# KiCad board Kimiro.kicad_pcb
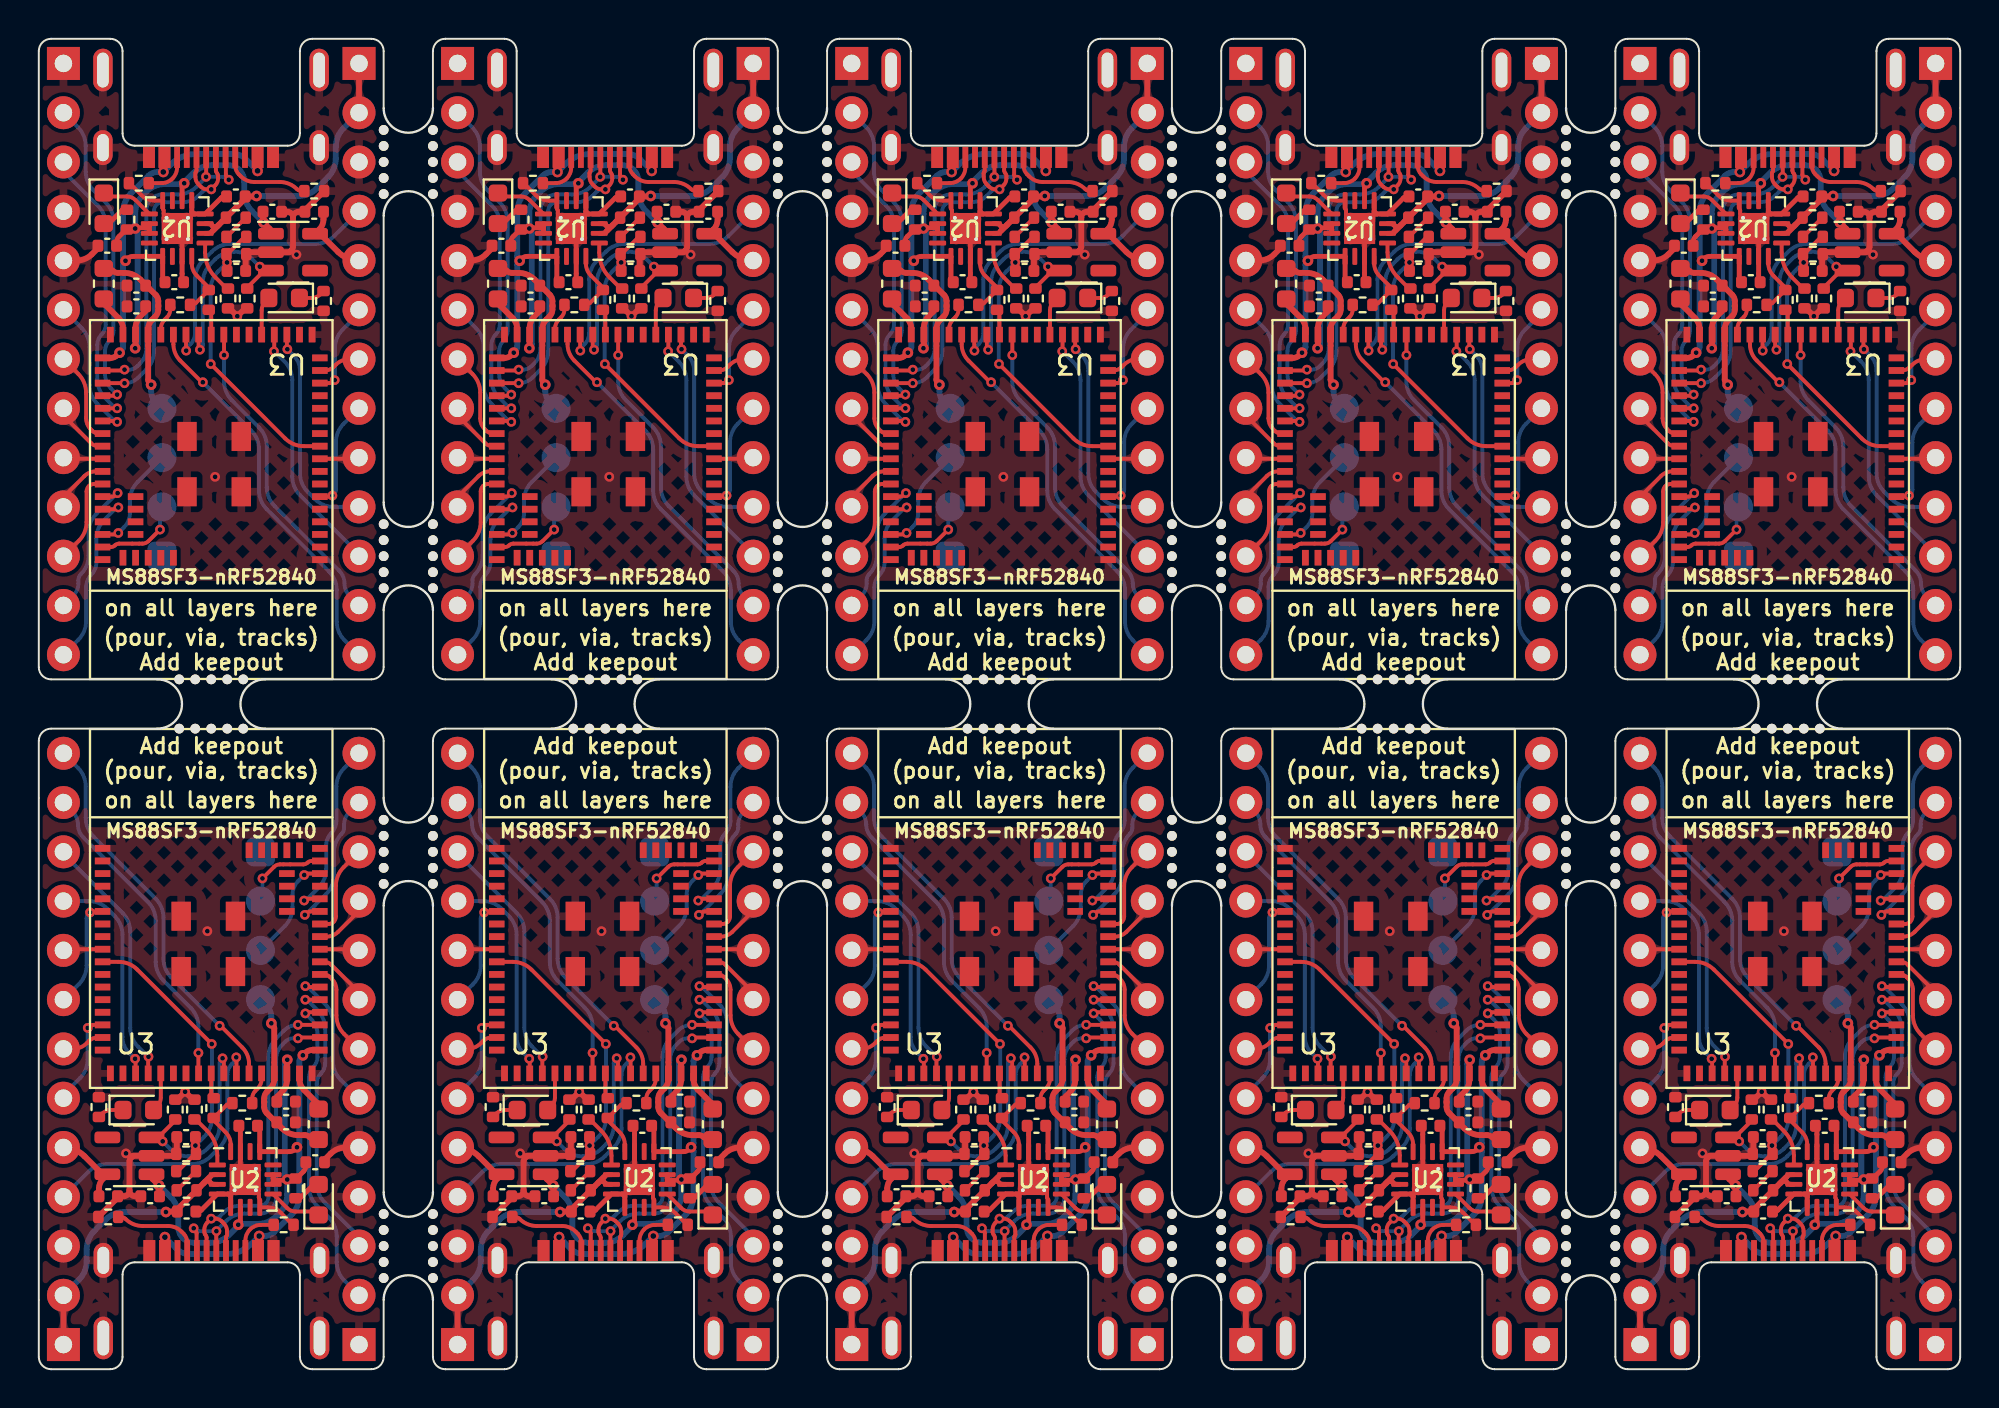
[diagram p0: board, top side]
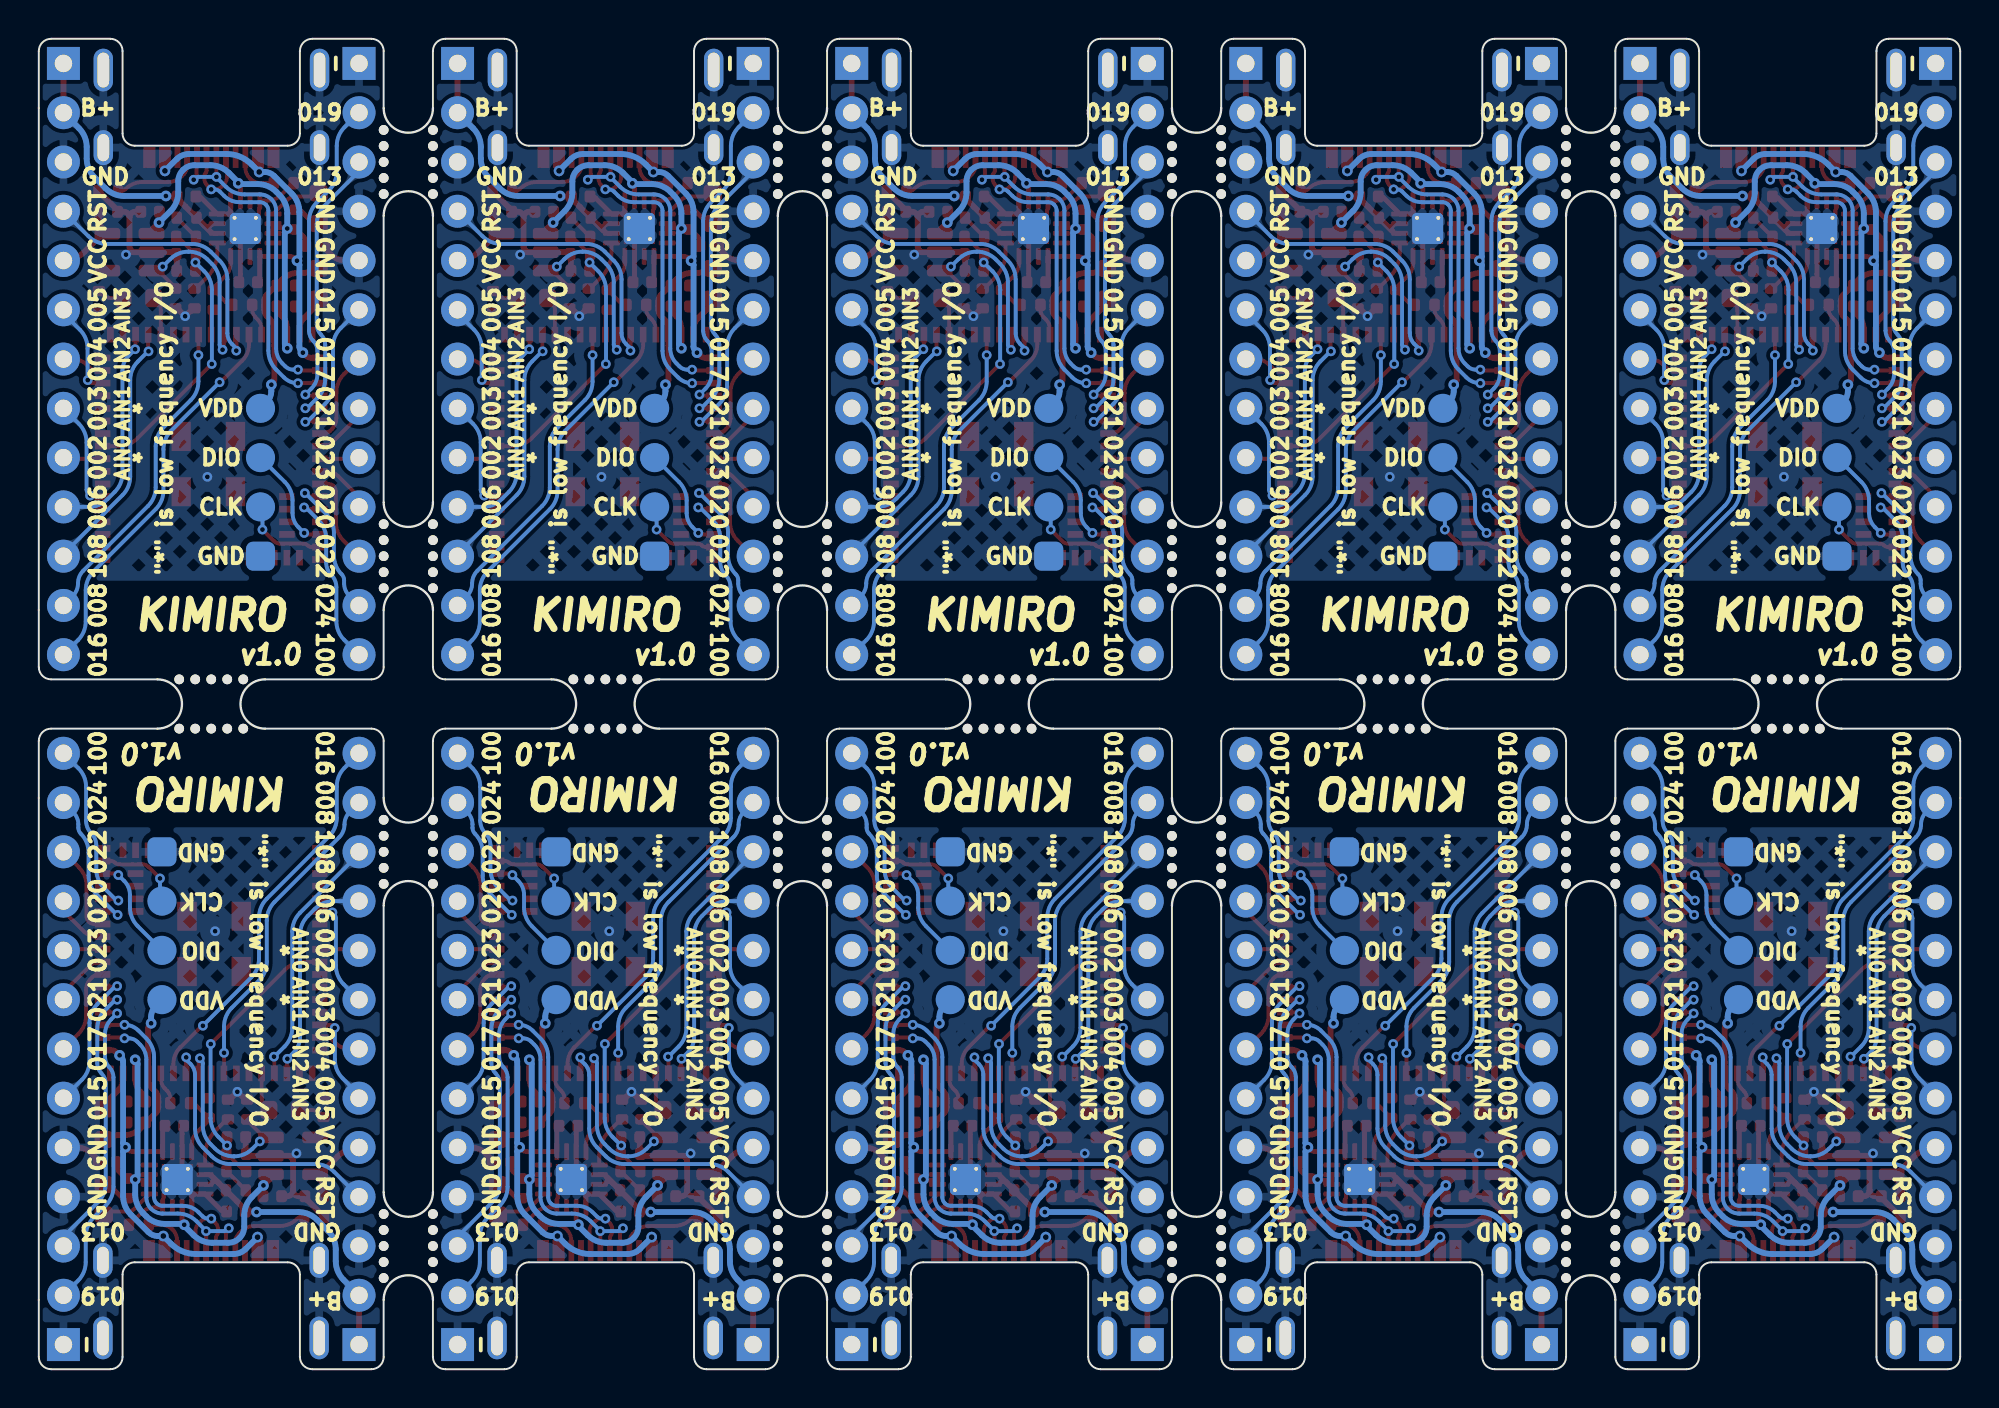
[diagram p1: board, bottom side, seen from below]

Outline 99.06 x 68.58 mm; copper layers: Top, Bottom. Coordinates in mm from the lower left corner of the outline.
Outline path: 6.11,35.56 0.64,35.56 arc(0.19,35.75) 0,36.2 0,67.95 arc(0.19,68.39) 0.64,68.58 3.68,68.58 arc(4.13,68.39) 4.32,67.95 4.32,63.7 arc(4.5,63.25) 4.95,63.07 12.83,63.07 arc(13.28,63.25) 13.46,63.7 13.46,67.95 arc(13.65,68.39) 14.1,68.58 17.15,68.58 arc(17.59,68.39) 17.78,67.95 17.78,65.01 ; 6.11,33.02 0.64,33.02 arc(0.19,32.83) 0,32.39 0,0.64 arc(0.19,0.19) 0.64,0 3.68,0 arc(4.13,0.19) 4.32,0.64 4.32,4.88 arc(4.5,5.33) 4.95,5.51 12.83,5.51 arc(13.28,5.33) 13.46,4.88 13.46,0.64 arc(13.65,0.19) 14.1,0 17.15,0 arc(17.59,0.19) 17.78,0.64 17.78,3.57 ; 11.67,35.56 17.15,35.56 arc(17.59,35.75) 17.78,36.2 17.78,39.13 ; 11.67,33.02 17.15,33.02 arc(17.59,32.83) 17.78,32.39 17.78,29.45 ; 17.78,44.69 17.78,59.45 ; 17.78,23.89 17.78,9.13 ; 20.32,65.01 20.32,67.95 arc(20.51,68.39) 20.96,68.58 24,68.58 arc(24.45,68.39) 24.64,67.95 24.64,63.7 arc(24.82,63.25) 25.27,63.07 33.15,63.07 arc(33.6,63.25) 33.78,63.7 33.78,67.95 arc(33.97,68.39) 34.42,68.58 37.47,68.58 arc(37.91,68.39) 38.1,67.95 38.1,65.01 ; 20.32,44.69 20.32,59.45 ; 20.32,39.13 20.32,36.2 arc(20.51,35.75) 20.96,35.56 26.43,35.56 ; 20.32,29.45 20.32,32.39 arc(20.51,32.83) 20.96,33.02 26.43,33.02 ; 20.32,23.89 20.32,9.13 ; 20.32,3.57 20.32,0.64 arc(20.51,0.19) 20.96,0 24,0 arc(24.45,0.19) 24.64,0.64 24.64,4.88 arc(24.82,5.33) 25.27,5.51 33.15,5.51 arc(33.6,5.33) 33.78,4.88 33.78,0.64 arc(33.97,0.19) 34.42,0 37.47,0 arc(37.91,0.19) 38.1,0.64 38.1,3.57 ; 31.99,35.56 37.47,35.56 arc(37.91,35.75) 38.1,36.2 38.1,39.13 ; 31.99,33.02 37.47,33.02 arc(37.91,32.83) 38.1,32.39 38.1,29.45 ; 38.1,44.69 38.1,59.45 ; 38.1,23.89 38.1,9.13 ; 40.64,65.01 40.64,67.95 arc(40.83,68.39) 41.28,68.58 44.32,68.58 arc(44.77,68.39) 44.96,67.95 44.96,63.7 arc(45.14,63.25) 45.59,63.07 53.47,63.07 arc(53.92,63.25) 54.1,63.7 54.1,67.95 arc(54.29,68.39) 54.74,68.58 57.79,68.58 arc(58.23,68.39) 58.42,67.95 58.42,65.01 ; 40.64,44.69 40.64,59.45 ; 40.64,39.13 40.64,36.2 arc(40.83,35.75) 41.28,35.56 46.75,35.56 ; 40.64,29.45 40.64,32.39 arc(40.83,32.83) 41.28,33.02 46.75,33.02 ; 40.64,23.89 40.64,9.13 ; 40.64,3.57 40.64,0.64 arc(40.83,0.19) 41.28,0 44.32,0 arc(44.77,0.19) 44.96,0.64 44.96,4.88 arc(45.14,5.33) 45.59,5.51 53.47,5.51 arc(53.92,5.33) 54.1,4.88 54.1,0.64 arc(54.29,0.19) 54.74,0 57.79,0 arc(58.23,0.19) 58.42,0.64 58.42,3.57 ; 52.31,35.56 57.79,35.56 arc(58.23,35.75) 58.42,36.2 58.42,39.13 ; 52.31,33.02 57.79,33.02 arc(58.23,32.83) 58.42,32.39 58.42,29.45 ; 58.42,44.69 58.42,59.45 ; 58.42,23.89 58.42,9.13 ; 60.96,65.01 60.96,67.95 arc(61.15,68.39) 61.6,68.58 64.64,68.58 arc(65.09,68.39) 65.28,67.95 65.28,63.7 arc(65.46,63.25) 65.91,63.07 73.79,63.07 arc(74.24,63.25) 74.42,63.7 74.42,67.95 arc(74.61,68.39) 75.06,68.58 78.11,68.58 arc(78.55,68.39) 78.74,67.95 78.74,65.01 ; 60.96,44.69 60.96,59.45 ; 60.96,39.13 60.96,36.2 arc(61.15,35.75) 61.6,35.56 67.07,35.56 ; 60.96,29.45 60.96,32.39 arc(61.15,32.83) 61.6,33.02 67.07,33.02 ; 60.96,23.89 60.96,9.13 ; 60.96,3.57 60.96,0.64 arc(61.15,0.19) 61.6,0 64.64,0 arc(65.09,0.19) 65.28,0.64 65.28,4.88 arc(65.46,5.33) 65.91,5.51 73.79,5.51 arc(74.24,5.33) 74.42,4.88 74.42,0.64 arc(74.61,0.19) 75.06,0 78.11,0 arc(78.55,0.19) 78.74,0.64 78.74,3.57 ; 72.63,35.56 78.11,35.56 arc(78.55,35.75) 78.74,36.2 78.74,39.13 ; 72.63,33.02 78.11,33.02 arc(78.55,32.83) 78.74,32.39 78.74,29.45 ; 78.74,44.69 78.74,59.45 ; 78.74,23.89 78.74,9.13 ; 81.28,65.01 81.28,67.95 arc(81.47,68.39) 81.92,68.58 84.96,68.58 arc(85.41,68.39) 85.6,67.95 85.6,63.7 arc(85.78,63.25) 86.23,63.07 94.11,63.07 arc(94.56,63.25) 94.74,63.7 94.74,67.95 arc(94.93,68.39) 95.38,68.58 98.43,68.58 arc(98.87,68.39) 99.06,67.95 99.06,36.2 arc(98.87,35.75) 98.43,35.56 92.95,35.56 ; 81.28,44.69 81.28,59.45 ; 81.28,39.13 81.28,36.2 arc(81.47,35.75) 81.92,35.56 87.39,35.56 ; 81.28,29.45 81.28,32.39 arc(81.47,32.83) 81.92,33.02 87.39,33.02 ; 81.28,23.89 81.28,9.13 ; 81.28,3.57 81.28,0.64 arc(81.47,0.19) 81.92,0 84.96,0 arc(85.41,0.19) 85.6,0.64 85.6,4.88 arc(85.78,5.33) 86.23,5.51 94.11,5.51 arc(94.56,5.33) 94.74,4.88 94.74,0.64 arc(94.93,0.19) 95.38,0 98.43,0 arc(98.87,0.19) 99.06,0.64 99.06,32.39 arc(98.87,32.83) 98.43,33.02 92.95,33.02
Stack: Top 0.035mm / dielectric 1.51mm FR4 er 4.5 / Bottom 0.035mm

## Placement (name value [footprint] x y rotation side)
C1  1uF  [C_0402_1005Metric]  47.62 56.03 0 top
C1#2  1uF  [C_0402_1005Metric]  6.98 56.03 0 top
C1#3  1uF  [C_0402_1005Metric]  88.26 56.03 0 top
C1#4  1uF  [C_0402_1005Metric]  31.11 12.55 180 top
C1#5  1uF  [C_0402_1005Metric]  10.8 12.55 180 top
C1#6  1uF  [C_0402_1005Metric]  71.75 12.55 180 top
C1#7  1uF  [C_0402_1005Metric]  67.94 56.03 0 top
C1#8  1uF  [C_0402_1005Metric]  51.44 12.55 180 top
C1#9  1uF  [C_0402_1005Metric]  92.07 12.55 180 top
C1#10  1uF  [C_0402_1005Metric]  27.3 56.03 0 top
C2  4.7uF  [C_0402_1005Metric]  95.53 10.67 180 top
C2#2  4.7uF  [C_0402_1005Metric]  75.21 10.67 180 top
C2#3  4.7uF  [C_0402_1005Metric]  44.17 57.91 0 top
C2#4  4.7uF  [C_0402_1005Metric]  23.85 57.91 0 top
C2#5  4.7uF  [C_0402_1005Metric]  64.49 57.91 0 top
C2#6  4.7uF  [C_0402_1005Metric]  3.53 57.91 0 top
C2#7  4.7uF  [C_0402_1005Metric]  84.81 57.91 0 top
C2#8  4.7uF  [C_0402_1005Metric]  54.89 10.67 180 top
C2#9  4.7uF  [C_0402_1005Metric]  14.25 10.67 180 top
C2#10  4.7uF  [C_0402_1005Metric]  34.57 10.67 180 top
C3  4.7uF  [C_0402_1005Metric]  30.48 60.45 0 top
C3#2  4.7uF  [C_0402_1005Metric]  71.12 60.45 0 top
C3#3  4.7uF  [C_0402_1005Metric]  91.44 60.45 0 top
C3#4  4.7uF  [C_0402_1005Metric]  10.16 60.45 0 top
C3#5  4.7uF  [C_0402_1005Metric]  88.9 8.13 180 top
C3#6  4.7uF  [C_0402_1005Metric]  27.94 8.13 180 top
C3#7  4.7uF  [C_0402_1005Metric]  50.8 60.45 0 top
C3#8  4.7uF  [C_0402_1005Metric]  48.26 8.13 180 top
C3#9  4.7uF  [C_0402_1005Metric]  7.62 8.13 180 top
C3#10  4.7uF  [C_0402_1005Metric]  68.58 8.13 180 top
C4  1nF  [C_0402_1005Metric]  10.19 56.62 0 top
C4#2  1nF  [C_0402_1005Metric]  50.83 56.62 0 top
C4#3  1nF  [C_0402_1005Metric]  71.15 56.62 0 top
C4#4  1nF  [C_0402_1005Metric]  48.23 11.96 180 top
C4#5  1nF  [C_0402_1005Metric]  27.91 11.96 180 top
C4#6  1nF  [C_0402_1005Metric]  7.59 11.96 180 top
C4#7  1nF  [C_0402_1005Metric]  68.55 11.96 180 top
C4#8  1nF  [C_0402_1005Metric]  88.87 11.96 180 top
C4#9  1nF  [C_0402_1005Metric]  91.47 56.62 0 top
C4#10  1nF  [C_0402_1005Metric]  30.51 56.62 0 top
C5  10uF  [C_0402_1005Metric]  66.7 8.92 0 top
C5#2  10uF  [C_0402_1005Metric]  5.74 8.92 0 top
C5#3  10uF  [C_0402_1005Metric]  26.06 8.92 0 top
C5#4  10uF  [C_0402_1005Metric]  93.32 59.66 180 top
C5#5  10uF  [C_0402_1005Metric]  87.02 8.92 0 top
C5#6  10uF  [C_0402_1005Metric]  32.36 59.66 180 top
C5#7  10uF  [C_0402_1005Metric]  12.04 59.66 180 top
C5#8  10uF  [C_0402_1005Metric]  73 59.66 180 top
C5#9  10uF  [C_0402_1005Metric]  46.38 8.92 0 top
C5#10  10uF  [C_0402_1005Metric]  52.68 59.66 180 top
C6  4.7uF  [C_0402_1005Metric]  64.54 8.92 180 top
C6#2  4.7uF  [C_0402_1005Metric]  54.84 59.66 0 top
C6#3  4.7uF  [C_0402_1005Metric]  3.58 8.92 180 top
C6#4  4.7uF  [C_0402_1005Metric]  95.48 59.66 0 top
C6#5  4.7uF  [C_0402_1005Metric]  34.52 59.66 0 top
C6#6  4.7uF  [C_0402_1005Metric]  84.86 8.92 180 top
C6#7  4.7uF  [C_0402_1005Metric]  23.9 8.92 180 top
C6#8  4.7uF  [C_0402_1005Metric]  14.2 59.66 0 top
C6#9  4.7uF  [C_0402_1005Metric]  44.22 8.92 180 top
C6#10  4.7uF  [C_0402_1005Metric]  75.16 59.66 0 top
C7  10uF  [C_0402_1005Metric]  53.39 12.73 0 top
C7#2  10uF  [C_0402_1005Metric]  25.35 55.85 180 top
C7#3  10uF  [C_0402_1005Metric]  33.07 12.73 0 top
C7#4  10uF  [C_0402_1005Metric]  5.03 55.85 180 top
C7#5  10uF  [C_0402_1005Metric]  73.71 12.73 0 top
C7#6  10uF  [C_0402_1005Metric]  12.75 12.73 0 top
C7#7  10uF  [C_0402_1005Metric]  45.67 55.85 180 top
C7#8  10uF  [C_0402_1005Metric]  94.03 12.73 0 top
C7#9  10uF  [C_0402_1005Metric]  65.99 55.85 180 top
C7#10  10uF  [C_0402_1005Metric]  86.31 55.85 180 top
C8  0.1uF  [C_0402_1005Metric]  53.39 13.79 0 top
C8#2  0.1uF  [C_0402_1005Metric]  25.35 54.79 180 top
C8#3  0.1uF  [C_0402_1005Metric]  65.99 54.79 180 top
C8#4  0.1uF  [C_0402_1005Metric]  5.03 54.79 180 top
C8#5  0.1uF  [C_0402_1005Metric]  94.03 13.79 0 top
C8#6  0.1uF  [C_0402_1005Metric]  86.31 54.79 180 top
C8#7  0.1uF  [C_0402_1005Metric]  45.67 54.79 180 top
C8#8  0.1uF  [C_0402_1005Metric]  33.07 13.79 0 top
C8#9  0.1uF  [C_0402_1005Metric]  73.71 13.79 0 top
C8#10  0.1uF  [C_0402_1005Metric]  12.75 13.79 0 top
D1  ORANGE  [LED_0603_1608Metric]  43.99 59.84 270 top
D1#2  ORANGE  [LED_0603_1608Metric]  75.39 8.74 90 top
D1#3  ORANGE  [LED_0603_1608Metric]  95.71 8.74 90 top
D1#4  ORANGE  [LED_0603_1608Metric]  34.75 8.74 90 top
D1#5  ORANGE  [LED_0603_1608Metric]  14.43 8.74 90 top
D1#6  ORANGE  [LED_0603_1608Metric]  3.35 59.84 270 top
D1#7  ORANGE  [LED_0603_1608Metric]  23.67 59.84 270 top
D1#8  ORANGE  [LED_0603_1608Metric]  64.31 59.84 270 top
D1#9  ORANGE  [LED_0603_1608Metric]  84.63 59.84 270 top
D1#10  ORANGE  [LED_0603_1608Metric]  55.07 8.74 90 top
D2  BLUE  [LED_0603_1608Metric]  73.61 55.22 180 top
D2#2  BLUE  [LED_0603_1608Metric]  86.41 13.36 0 top
D2#3  BLUE  [LED_0603_1608Metric]  12.65 55.22 180 top
D2#4  BLUE  [LED_0603_1608Metric]  45.77 13.36 0 top
D2#5  BLUE  [LED_0603_1608Metric]  32.97 55.22 180 top
D2#6  BLUE  [LED_0603_1608Metric]  53.29 55.22 180 top
D2#7  BLUE  [LED_0603_1608Metric]  93.93 55.22 180 top
D2#8  BLUE  [LED_0603_1608Metric]  25.45 13.36 0 top
D2#9  BLUE  [LED_0603_1608Metric]  5.13 13.36 0 top
D2#10  BLUE  [LED_0603_1608Metric]  66.09 13.36 0 top
J1  Conn_01x04  [Conn_1x04_P2.54mm]  26.67 45.72 90 bottom
J1#2  Conn_01x04  [Conn_1x04_P2.54mm]  67.31 45.72 90 bottom
J1#3  Conn_01x04  [Conn_1x04_P2.54mm]  52.07 22.86 270 bottom
J1#4  Conn_01x04  [Conn_1x04_P2.54mm]  92.71 22.86 270 bottom
J1#5  Conn_01x04  [Conn_1x04_P2.54mm]  87.63 45.72 90 bottom
J1#6  Conn_01x04  [Conn_1x04_P2.54mm]  11.43 22.86 270 bottom
J1#7  Conn_01x04  [Conn_1x04_P2.54mm]  46.99 45.72 90 bottom
J1#8  Conn_01x04  [Conn_1x04_P2.54mm]  72.39 22.86 270 bottom
J1#9  Conn_01x04  [Conn_1x04_P2.54mm]  6.35 45.72 90 bottom
J1#10  Conn_01x04  [Conn_1x04_P2.54mm]  31.75 22.86 270 bottom
J2  USB_C_Left  [USB-C-Low]  69.84 62.97 0 top
J2#2  USB_C_Left  [USB-C-Low]  49.52 62.97 0 top
J2#3  USB_C_Left  [USB-C-Low]  90.18 5.61 180 top
J2#4  USB_C_Left  [USB-C-Low]  49.54 5.61 180 top
J2#5  USB_C_Left  [USB-C-Low]  8.88 62.97 0 top
J2#6  USB_C_Left  [USB-C-Low]  69.86 5.61 180 top
J2#7  USB_C_Left  [USB-C-Low]  90.16 62.97 0 top
J2#8  USB_C_Left  [USB-C-Low]  29.22 5.61 180 top
J2#9  USB_C_Left  [USB-C-Low]  29.2 62.97 0 top
J2#10  USB_C_Left  [USB-C-Low]  8.9 5.61 180 top
J3  Left  [Conn_1x13_P2.54mm]  57.15 1.27 180 top
J3#2  Left  [Conn_1x13_P2.54mm]  77.47 1.27 180 top
J3#3  Left  [Conn_1x13_P2.54mm]  16.51 1.27 180 top
J3#4  Left  [Conn_1x13_P2.54mm]  41.91 67.31 0 top
J3#5  Left  [Conn_1x13_P2.54mm]  21.59 67.31 0 top
J3#6  Left  [Conn_1x13_P2.54mm]  97.79 1.27 180 top
J3#7  Left  [Conn_1x13_P2.54mm]  82.55 67.31 0 top
J3#8  Left  [Conn_1x13_P2.54mm]  36.83 1.27 180 top
J3#9  Left  [Conn_1x13_P2.54mm]  62.23 67.31 0 top
J3#10  Left  [Conn_1x13_P2.54mm]  1.27 67.31 0 top
J4  Right  [Conn_1x13_P2.54mm]  77.47 67.31 0 top
J4#2  Right  [Conn_1x13_P2.54mm]  57.15 67.31 0 top
J4#3  Right  [Conn_1x13_P2.54mm]  62.23 1.27 180 top
J4#4  Right  [Conn_1x13_P2.54mm]  97.79 67.31 0 top
J4#5  Right  [Conn_1x13_P2.54mm]  82.55 1.27 180 top
J4#6  Right  [Conn_1x13_P2.54mm]  36.83 67.31 0 top
J4#7  Right  [Conn_1x13_P2.54mm]  16.51 67.31 0 top
J4#8  Right  [Conn_1x13_P2.54mm]  21.59 1.27 180 top
J4#9  Right  [Conn_1x13_P2.54mm]  1.27 1.27 180 top
J4#10  Right  [Conn_1x13_P2.54mm]  41.91 1.27 180 top
L1  10uH  [L_0603_1608Metric]  84.63 55.96 90 top
L1#2  10uH  [L_0603_1608Metric]  14.43 12.62 270 top
L1#3  10uH  [L_0603_1608Metric]  3.35 55.96 90 top
L1#4  10uH  [L_0603_1608Metric]  55.07 12.62 270 top
L1#5  10uH  [L_0603_1608Metric]  23.67 55.96 90 top
L1#6  10uH  [L_0603_1608Metric]  43.99 55.96 90 top
L1#7  10uH  [L_0603_1608Metric]  34.75 12.62 270 top
L1#8  10uH  [L_0603_1608Metric]  75.39 12.62 270 top
L1#9  10uH  [L_0603_1608Metric]  95.71 12.62 270 top
L1#10  10uH  [L_0603_1608Metric]  64.31 55.96 90 top
R1  5.1K  [R_0402_1005Metric]  23.9 7.85 180 top
R1#2  5.1K  [R_0402_1005Metric]  14.2 60.73 0 top
R1#3  5.1K  [R_0402_1005Metric]  64.54 7.85 180 top
R1#4  5.1K  [R_0402_1005Metric]  54.84 60.73 0 top
R1#5  5.1K  [R_0402_1005Metric]  95.48 60.73 0 top
R1#6  5.1K  [R_0402_1005Metric]  84.86 7.85 180 top
R1#7  5.1K  [R_0402_1005Metric]  44.22 7.85 180 top
R1#8  5.1K  [R_0402_1005Metric]  34.52 60.73 0 top
R1#9  5.1K  [R_0402_1005Metric]  75.16 60.73 0 top
R1#10  5.1K  [R_0402_1005Metric]  3.58 7.85 180 top
R2  5.1K  [R_0402_1005Metric]  45.8 61.14 0 top
R2#2  5.1K  [R_0402_1005Metric]  66.12 61.14 0 top
R2#3  5.1K  [R_0402_1005Metric]  53.26 7.44 180 top
R2#4  5.1K  [R_0402_1005Metric]  93.9 7.44 180 top
R2#5  5.1K  [R_0402_1005Metric]  12.62 7.44 180 top
R2#6  5.1K  [R_0402_1005Metric]  86.44 61.14 0 top
R2#7  5.1K  [R_0402_1005Metric]  73.58 7.44 180 top
R2#8  5.1K  [R_0402_1005Metric]  32.94 7.44 180 top
R2#9  5.1K  [R_0402_1005Metric]  5.16 61.14 0 top
R2#10  5.1K  [R_0402_1005Metric]  25.48 61.14 0 top
R3  10k  [R_0402_1005Metric]  50.39 55.19 270 top
R3#2  10k  [R_0402_1005Metric]  30.07 55.19 270 top
R3#3  10k  [R_0402_1005Metric]  68.99 13.39 90 top
R3#4  10k  [R_0402_1005Metric]  28.35 13.39 90 top
R3#5  10k  [R_0402_1005Metric]  91.03 55.19 270 top
R3#6  10k  [R_0402_1005Metric]  48.67 13.39 90 top
R3#7  10k  [R_0402_1005Metric]  9.75 55.19 270 top
R3#8  10k  [R_0402_1005Metric]  8.03 13.39 90 top
R3#9  10k  [R_0402_1005Metric]  89.31 13.39 90 top
R3#10  10k  [R_0402_1005Metric]  70.71 55.19 270 top
R4  1.87k  [R_0402_1005Metric]  10.49 13.72 180 top
R4#2  1.87k  [R_0402_1005Metric]  30.81 13.72 180 top
R4#3  1.87k  [R_0402_1005Metric]  88.57 54.86 0 top
R4#4  1.87k  [R_0402_1005Metric]  7.29 54.86 0 top
R4#5  1.87k  [R_0402_1005Metric]  51.13 13.72 180 top
R4#6  1.87k  [R_0402_1005Metric]  27.61 54.86 0 top
R4#7  1.87k  [R_0402_1005Metric]  71.45 13.72 180 top
R4#8  1.87k  [R_0402_1005Metric]  91.77 13.72 180 top
R4#9  1.87k  [R_0402_1005Metric]  47.93 54.86 0 top
R4#10  1.87k  [R_0402_1005Metric]  68.25 54.86 0 top
R5  4.7k  [R_0402_1005Metric]  29.34 13.46 90 top
R5#2  4.7k  [R_0402_1005Metric]  8.76 55.12 270 top
R5#3  4.7k  [R_0402_1005Metric]  69.98 13.46 90 top
R5#4  4.7k  [R_0402_1005Metric]  49.66 13.46 90 top
R5#5  4.7k  [R_0402_1005Metric]  90.04 55.12 270 top
R5#6  4.7k  [R_0402_1005Metric]  90.3 13.46 90 top
R5#7  4.7k  [R_0402_1005Metric]  29.08 55.12 270 top
R5#8  4.7k  [R_0402_1005Metric]  9.02 13.46 90 top
R5#9  4.7k  [R_0402_1005Metric]  49.4 55.12 270 top
R5#10  4.7k  [R_0402_1005Metric]  69.72 55.12 270 top
R6  10k  [R_0402_1005Metric]  94.51 9.32 270 top
R6#2  10k  [R_0402_1005Metric]  24.87 59.26 90 top
R6#3  10k  [R_0402_1005Metric]  85.83 59.26 90 top
R6#4  10k  [R_0402_1005Metric]  74.19 9.32 270 top
R6#5  10k  [R_0402_1005Metric]  53.87 9.32 270 top
R6#6  10k  [R_0402_1005Metric]  45.19 59.26 90 top
R6#7  10k  [R_0402_1005Metric]  13.23 9.32 270 top
R6#8  10k  [R_0402_1005Metric]  4.55 59.26 90 top
R6#9  10k  [R_0402_1005Metric]  33.55 9.32 270 top
R6#10  10k  [R_0402_1005Metric]  65.51 59.26 90 top
R7  2m  [R_0402_1005Metric]  10.16 59.36 0 top
R7#2  2m  [R_0402_1005Metric]  7.62 9.22 180 top
R7#3  2m  [R_0402_1005Metric]  27.94 9.22 180 top
R7#4  2m  [R_0402_1005Metric]  50.8 59.36 0 top
R7#5  2m  [R_0402_1005Metric]  71.12 59.36 0 top
R7#6  2m  [R_0402_1005Metric]  68.58 9.22 180 top
R7#7  2m  [R_0402_1005Metric]  30.48 59.36 0 top
R7#8  2m  [R_0402_1005Metric]  88.9 9.22 180 top
R7#9  2m  [R_0402_1005Metric]  48.26 9.22 180 top
R7#10  2m  [R_0402_1005Metric]  91.44 59.36 0 top
R8  2m  [R_0402_1005Metric]  48.23 10.21 180 top
R8#2  2m  [R_0402_1005Metric]  7.59 10.21 180 top
R8#3  2m  [R_0402_1005Metric]  68.55 10.21 180 top
R8#4  2m  [R_0402_1005Metric]  30.51 58.37 0 top
R8#5  2m  [R_0402_1005Metric]  50.83 58.37 0 top
R8#6  2m  [R_0402_1005Metric]  27.91 10.21 180 top
R8#7  2m  [R_0402_1005Metric]  91.47 58.37 0 top
R8#8  2m  [R_0402_1005Metric]  71.15 58.37 0 top
R8#9  2m  [R_0402_1005Metric]  88.87 10.21 180 top
R8#10  2m  [R_0402_1005Metric]  10.19 58.37 0 top
R9  10k  [R_0402_1005Metric]  30.51 57.48 0 top
R9#2  10k  [R_0402_1005Metric]  27.91 11.1 180 top
R9#3  10k  [R_0402_1005Metric]  10.19 57.48 0 top
R9#4  10k  [R_0402_1005Metric]  68.55 11.1 180 top
R9#5  10k  [R_0402_1005Metric]  7.59 11.1 180 top
R9#6  10k  [R_0402_1005Metric]  88.87 11.1 180 top
R9#7  10k  [R_0402_1005Metric]  48.23 11.1 180 top
R9#8  10k  [R_0402_1005Metric]  50.83 57.48 0 top
R9#9  10k  [R_0402_1005Metric]  91.47 57.48 0 top
R9#10  10k  [R_0402_1005Metric]  71.15 57.48 0 top
R10  10K  [R_0402_1005Metric]  47.68 13.39 90 top
R10#2  10K  [R_0402_1005Metric]  31.06 55.19 270 top
R10#3  10K  [R_0402_1005Metric]  88.32 13.39 90 top
R10#4  10K  [R_0402_1005Metric]  7.04 13.39 90 top
R10#5  10K  [R_0402_1005Metric]  68 13.39 90 top
R10#6  10K  [R_0402_1005Metric]  71.7 55.19 270 top
R10#7  10K  [R_0402_1005Metric]  27.36 13.39 90 top
R10#8  10K  [R_0402_1005Metric]  92.02 55.19 270 top
R10#9  10K  [R_0402_1005Metric]  10.74 55.19 270 top
R10#10  10K  [R_0402_1005Metric]  51.38 55.19 270 top
R11  1K  [R_0402_1005Metric]  84.38 13.51 270 top
R11#2  1K  [R_0402_1005Metric]  95.96 55.07 90 top
R11#3  1K  [R_0402_1005Metric]  23.42 13.51 270 top
R11#4  1K  [R_0402_1005Metric]  64.06 13.51 270 top
R11#5  1K  [R_0402_1005Metric]  14.68 55.07 90 top
R11#6  1K  [R_0402_1005Metric]  43.74 13.51 270 top
R11#7  1K  [R_0402_1005Metric]  3.1 13.51 270 top
R11#8  1K  [R_0402_1005Metric]  55.32 55.07 90 top
R11#9  1K  [R_0402_1005Metric]  75.64 55.07 90 top
R11#10  1K  [R_0402_1005Metric]  35 55.07 90 top
REF**  -  [breakaway-mousebites]  19.05 26.67 90 top
REF**1  -  [breakaway-mousebites]  39.37 6.35 90 top
REF**2  -  [breakaway-mousebites]  39.37 26.67 90 top
REF**3  -  [breakaway-mousebites]  39.37 41.91 90 top
REF**4  -  [breakaway-mousebites]  39.37 62.23 90 top
REF**5  -  [breakaway-mousebites]  59.69 6.35 90 top
REF**6  -  [breakaway-mousebites]  59.69 26.67 90 top
REF**7  -  [breakaway-mousebites]  59.69 41.91 90 top
REF**8  -  [breakaway-mousebites]  59.69 62.23 90 top
REF**9  -  [breakaway-mousebites]  80.01 6.35 90 top
REF**10  -  [breakaway-mousebites]  80.01 26.67 90 top
REF**11  -  [breakaway-mousebites]  80.01 41.91 90 top
REF**12  -  [breakaway-mousebites]  80.01 62.23 90 top
REF**13  -  [breakaway-mousebites]  29.21 34.29 180 top
REF**14  -  [breakaway-mousebites]  49.53 34.29 180 top
REF**15  -  [breakaway-mousebites]  69.85 34.29 180 top
REF**16  -  [breakaway-mousebites]  90.17 34.29 180 top
REF**#2  -  [breakaway-mousebites]  19.05 6.35 90 top
REF**#3  -  [breakaway-mousebites]  19.05 41.91 90 top
REF**#4  -  [breakaway-mousebites]  19.05 62.23 90 top
REF**#5  -  [breakaway-mousebites]  8.89 34.29 180 top
U2  BQ24075/9  [BQ24075]  91.92 9.78 0 top
U2#2  BQ24075/9  [BQ24075]  30.96 9.78 0 top
U2#3  BQ24075/9  [BQ24075]  7.14 58.8 180 top
U2#4  BQ24075/9  [BQ24075]  51.28 9.78 0 top
U2#5  BQ24075/9  [BQ24075]  27.46 58.8 180 top
U2#6  BQ24075/9  [BQ24075]  10.64 9.78 0 top
U2#7  BQ24075/9  [BQ24075]  71.6 9.78 0 top
U2#8  BQ24075/9  [BQ24075]  68.1 58.8 180 top
U2#9  BQ24075/9  [BQ24075]  88.42 58.8 180 top
U2#10  BQ24075/9  [BQ24075]  47.78 58.8 180 top
U3  MS88FS3  [MS88SF3-nRF52840]  90.17 23.75 0 top
U3#2  MS88FS3  [MS88SF3-nRF52840]  90.17 44.83 180 top
U3#3  MS88FS3  [MS88SF3-nRF52840]  49.53 23.75 0 top
U3#4  MS88FS3  [MS88SF3-nRF52840]  29.21 23.75 0 top
U3#5  MS88FS3  [MS88SF3-nRF52840]  49.53 44.83 180 top
U3#6  MS88FS3  [MS88SF3-nRF52840]  69.85 44.83 180 top
U3#7  MS88FS3  [MS88SF3-nRF52840]  69.85 23.75 0 top
U3#8  MS88FS3  [MS88SF3-nRF52840]  8.89 44.83 180 top
U3#9  MS88FS3  [MS88SF3-nRF52840]  8.89 23.75 0 top
U3#10  MS88FS3  [MS88SF3-nRF52840]  29.21 44.83 180 top
U4  XC6220B331MR  [SOT-23-5]  53.75 57.58 0 top
U4#2  XC6220B331MR  [SOT-23-5]  13.11 57.58 0 top
U4#3  XC6220B331MR  [SOT-23-5]  94.39 57.58 0 top
U4#4  XC6220B331MR  [SOT-23-5]  74.07 57.58 0 top
U4#5  XC6220B331MR  [SOT-23-5]  4.67 11 180 top
U4#6  XC6220B331MR  [SOT-23-5]  24.99 11 180 top
U4#7  XC6220B331MR  [SOT-23-5]  45.31 11 180 top
U4#8  XC6220B331MR  [SOT-23-5]  65.63 11 180 top
U4#9  XC6220B331MR  [SOT-23-5]  85.95 11 180 top
U4#10  XC6220B331MR  [SOT-23-5]  33.43 57.58 0 top

## Library data of the parts
C1 C1#2-C1#10 = -: Digikey: 1276-1067-1-ND; JLC Part: C52923; LCSC Part: C52923; Manufacturer Part: CL05A105KO5NNNC
C2 C2#2-C2#10 C3 C3#2-C3#10 C6 C6#2-C6#10 = -: Digikey: 1276-1784-1-ND; JLC Part: C23733; LCSC Part: C368809; Manufacturer Part: CL05A475KP5NRNC
C5 C5#2-C5#10 = -: JLC Part: C19702; LCSC Part: C19702; Manufacturer Part: CL10A106KP8NNNC
D1 D1#2-D1#10 = -: JLC Part: C72038; LCSC Part: C160478; Manufacturer Part: 19-217/S2C-AQ1R1B/3T
D2 D2#2-D2#10 = -: LCSC: C375446; LCSC Part Number: C375446
R3 R3#2-R3#10 R4 R4#2-R4#10 R6 R6#2-R6#10 R10 R10#2-R10#10 = -: JLC Part: C25744; LCSC Part: C60490; Manufacturer Part: RC0402FR-0710KL
R5 R5#2-R5#10 = -: JLC Part: C51721; LCSC Part: C131467; Manufacturer Part: RC0402FR-073K9L
R11 R11#2-R11#10 = -: LCSC: C21190; LCSC Part Number: C21190
U2 U2#2-U2#10 = -: Digikey: 296-24815-1-ND; JLC Part: C15464; LCSC Part: C15464; Manufacturer Part: BQ24075RGTR
U4 U4#2-U4#10 = -: Digikey: 893-1133-1-ND‎; JLC Part: C86534; LCSC Part: C86534; Manufacturer Part: XC6220B331MR-G‎

## Footprints (pads in the part's own frame, mm; a bottom-side part is the same pattern mirrored in y, then rotated)
BQ24075
  rrect 0.69x0.69 smd: (-0.4,0.4) (-0.4,-0.4) (0.4,0.4) (0.4,-0.4)
  rrect 0.875x0.25 smd: 1(-1.438,0.75) 2(-1.438,0.25) 3(-1.438,-0.25) 4(-1.438,-0.75) 9(1.438,-0.75) 10(1.438,-0.25) 11(1.438,0.25) 12(1.438,0.75)
  rrect 0.25x0.875 smd: 5(-0.75,-1.438) 6(-0.25,-1.438) 7(0.25,-1.438) 8(0.75,-1.438) 13(0.75,1.438) 14(0.25,1.438) 15(-0.25,1.438) 16(-0.75,1.438)
  round 0.5 hole 0.2: 17(-0.55,0.55) 17(-0.55,-0.55) 17(0.55,0.55) 17(0.55,-0.55)
  rect 1.6x1.6 smd: 17(0,0)
  rrect 1.6x1.6 smd far side: 17(0,0)
breakaway-mousebites
  round 0.5 hole 0.5 unplated: (-1.651,1.27) (-1.651,-1.27) (-0.826,1.27) (-0.826,-1.27) (0,1.27) (0,-1.27) (0.826,1.27) (0.826,-1.27) (1.651,1.27) (1.651,-1.27)
C_0402_1005Metric
  rrect 0.56x0.62 smd: 1(-0.48,0) 2(0.48,0)
Conn_1x04_P2.54mm
  rrect 1.5x1.5 smd: 1(-3.81,0)
  round 1.5 smd: 2(-1.27,0) 3(1.27,0)
  oval 1.5x1.5 smd: 4(3.81,0)
Conn_1x13_P2.54mm
  rect 1.7x1.7 hole 0.9: 1(0,0)
  oval 1.7x1.7 hole 0.9: 2(0,-2.54) 3(0,-5.08) 4(0,-7.62) 5(0,-10.16) 6(0,-12.7) 7(0,-15.24) 8(0,-17.78) 9(0,-20.32) 10(0,-22.86) 11(0,-25.4) 12(0,-27.94) 13(0,-30.48)
L_0603_1608Metric
  rrect 0.875x0.95 smd: 1(-0.787,0) 2(0.787,0)
LED_0603_1608Metric
  rrect 0.875x0.95 smd: 1(-0.787,0) 2(0.787,0)
MS88SF3-nRF52840
  rect 0.8x0.35 smd: 1(-5.6,3.1) 2(-5.6,2.45) 3(-5.6,1.8) 4(-5.6,1.15) 5(-5.6,0.5) 6(-5.6,-0.15) 7(-5.6,-0.8) 8(-5.6,-1.45) 9(-5.6,-2.1) 10(-5.6,-2.75) 11(-5.6,-3.4) 12(-5.6,-4.05) 13(-5.6,-4.7) 14(-5.6,-5.35) 15(-5.6,-6) 16(-5.6,-6.65) 17(-5.6,-7.3) 35(5.6,-7.3) 36(5.6,-6.65) 37(5.6,-6) 38(5.6,-5.35) 39(5.6,-4.7) 40(5.6,-4.05) 41(5.6,-3.4) 42(5.6,-2.75) 43(5.6,-2.1) 44(5.6,-1.45) 45(5.6,-0.8) 46(5.6,-0.15) 47(5.6,0.5) 48(5.6,1.15) 49(5.6,1.8) 50(5.6,2.45) 51(5.6,3.1) 57(3.9,1.8) 58(3.9,1.15) 59(3.9,0.5) 60(3.9,-0.15)
  rect 0.35x0.8 smd: 18(-5.2,-8.5) 19(-4.55,-8.5) 20(-3.9,-8.5) 21(-3.25,-8.5) 22(-2.6,-8.5) 23(-1.95,-8.5) 24(-1.3,-8.5) 25(-0.65,-8.5) 26(0,-8.5) 27(0.65,-8.5) 28(1.3,-8.5) 29(1.95,-8.5) 30(2.6,-8.5) 31(3.25,-8.5) 32(3.9,-8.5) 33(4.55,-8.5) 34(5.2,-8.5) 52(4.55,3) 53(3.9,3) 54(3.25,3) 55(2.6,3) 56(1.95,3)
  rect 1x1.5 smd: 61(-1.55,-0.4) 61(-1.55,-3.25) 61(1.25,-0.4) 61(1.25,-3.25)
R_0402_1005Metric
  rrect 0.54x0.64 smd: 1(-0.51,0) 2(0.51,0)
SOT-23-5
  rrect 1.325x0.6 smd: 1(-1.137,0.95) 2(-1.137,0) 3(-1.137,-0.95) 4(1.137,-0.95) 5(1.137,0.95)
USB-C-Low
  rect 0.6x1.079 smd: A1(3.2,-0.508) A4(2.4,-0.508) A9(-2.4,-0.508) A12(-3.2,-0.508) B1(-3.2,-0.508) B4(-2.4,-0.508) B9(2.4,-0.508) B12(3.2,-0.508)
  rect 0.3x1.079 smd: A5(1.25,-0.508) A6(0.25,-0.508) A7(-0.25,-0.508) A8(-1.25,-0.508) B5(-1.75,-0.508) B6(-0.75,-0.508) B7(0.75,-0.508) B8(1.75,-0.508)
  oval 1x2.2 hole 0.6x1.8: S1(-5.575,3.996) S1(5.575,3.996)
  oval 1x1.8 hole 0.6x1.4: S1(-5.575,-0.004) S1(5.575,-0.004)
